# KiCad board K9HZ_100W_11band_LPF-Control.kicad_pcb (continued)
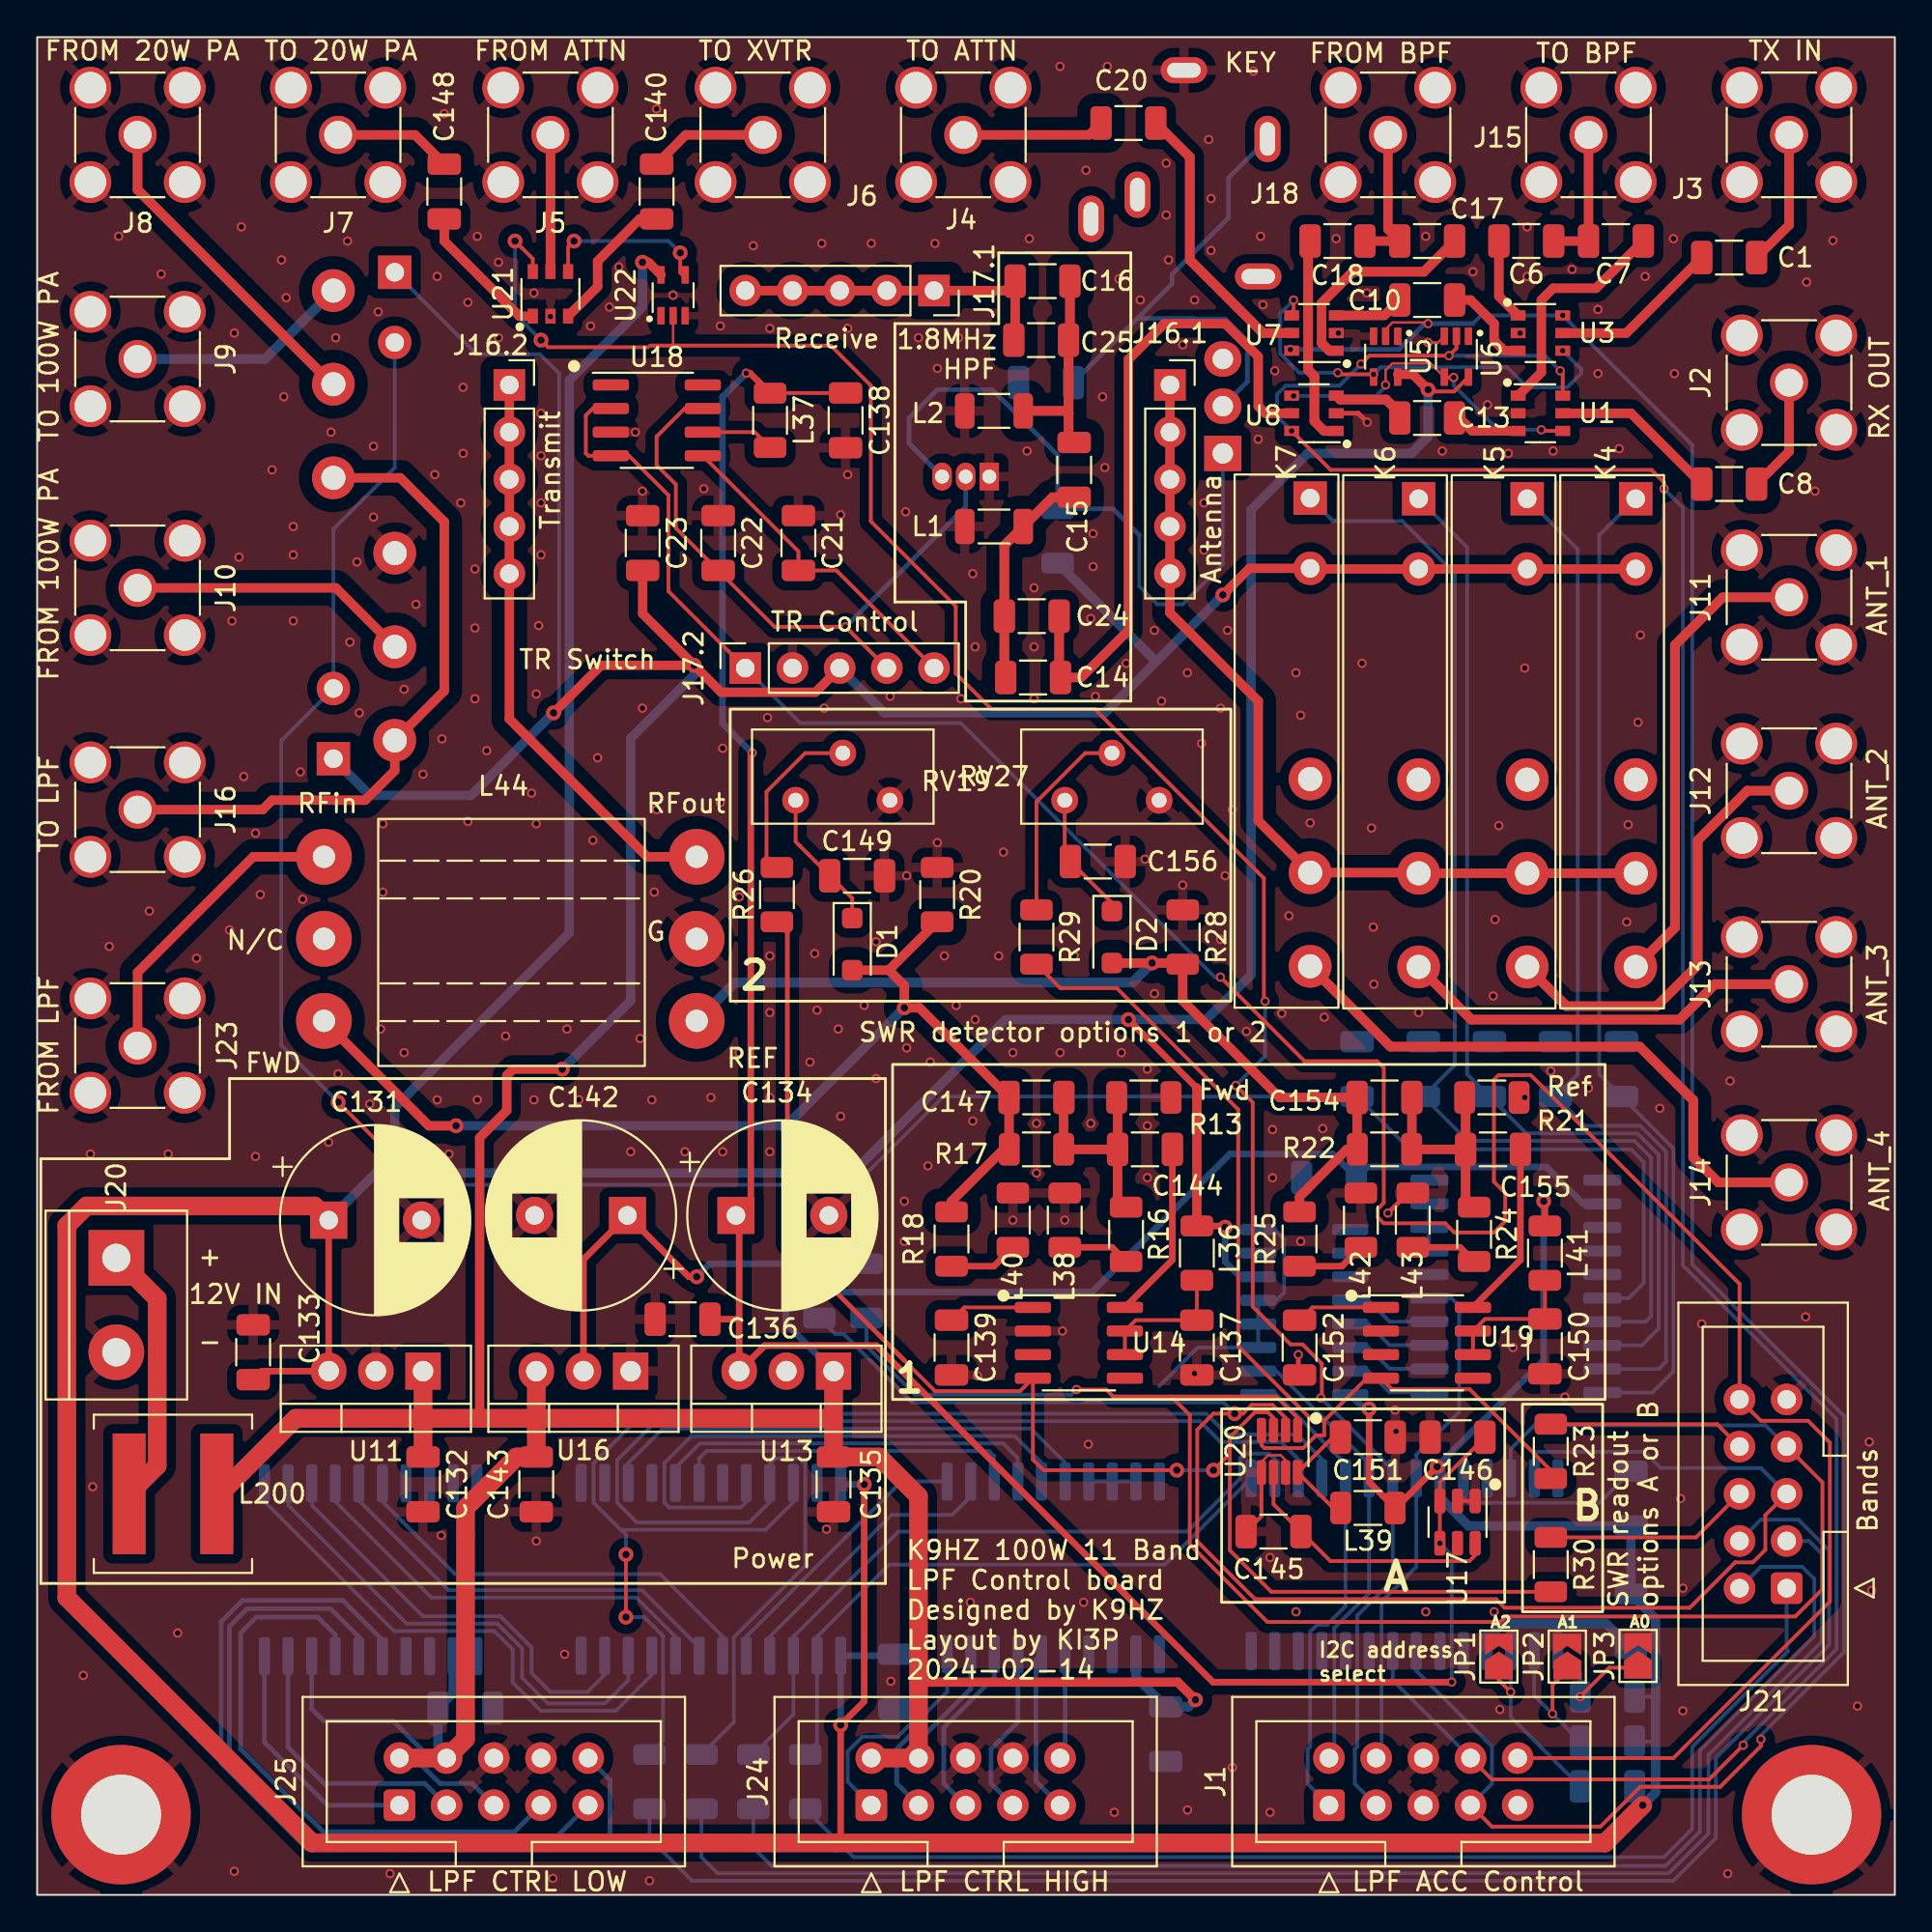
[diagram p0: board, top side]
## Footprints (pads in the part's own frame, mm; a bottom-side part is the same pattern mirrored in y, then rotated) (continued)
SolderJumper-2_P1.3mm_Open_TrianglePad1.0x1.5mm
  custom 1.5x1.5 smd: 1(-0.725,0)
  custom 1.15x1.5 smd: 2(0.725,0)
SOT-23-6
  rrect 1.325x0.6 smd: 1(-1.137,0.95) 2(-1.137,0) 3(-1.137,-0.95) 4(1.137,-0.95) 5(1.137,0) 6(1.137,0.95)
SOT-23-8
  rrect 1.325x0.5 smd: 1(-1.137,0.975) 2(-1.137,0.325) 3(-1.137,-0.325) 4(-1.137,-0.975) 5(1.137,-0.975) 6(1.137,-0.325) 7(1.137,0.325) 8(1.137,0.975)
SOT-SC70
  rrect 0.95x0.4 smd: 1(-1.1,0.65) 2(-1.1,0) 3(-1.1,-0.65) 4(1.1,-0.65) 5(1.1,0.65)
TerminalBlock_bornier-2_P5.08mm
  rect 3x3 hole 1.52: 1(0,0)
  round 3 hole 1.52: 2(5.08,0)
TO-92_Inline
  rect 1.05x1.5 hole 0.75: 1(0,0)
  oval 1.05x1.5 hole 0.75: 2(1.27,0) 3(2.54,0)
TO-220-3_Vertical
  rect 1.905x2 hole 1.1: 1(0,0)
  oval 1.905x2 hole 1.1: 2(2.54,0) 3(5.08,0)
Toroid_6Pin_BinocularCore_13.3mm_14.35mm
  round 3 hole 1.2: 1(0,2.75) 2(20.066,2.75) 3(0,-6.08) 4(20.066,-6.08) 5(20.066,-1.665) 6(0,-1.665)

## Nets
+3V3: C142.1 R12.2 R14.2 U16.2
+5V: C130.1 C131.1 C133.1 C141.1 L36.2 L39.2 L41.2 R1.2 R2.2 R3.2 R15.1 U2.6 U2.16 U5.5 U6.5 U11.3 U12.1 U12.24 U15.9 U22.5
+8V: C134.1 C136.1 C138.1 C146.2 L37.1 U13.3 U17.3 U17.4
+12V: C12.1 C23.2 C128.1 C129.1 C132.1 C135.1 C143.1 J17.2.3 J24.2 J24.4 J25.2 J25.4 K2.A1 K3.A1 K4.A2 K5.A2 K6.A2 K7.A2 L200.2 R7.1 U4.12 U9.12 U10.12 U11.1 U13.1 U16.3
GND: C2.2 C3.2 C4.2 C5.2 C11.2 C12.2 C19.2 C21.1 C22.1 C23.1 C128.2 C129.2 C130.2 C131.2 C132.2 C133.2 C134.2 C135.2 C136.2 C137.2 C138.2 C139.2 C141.2 C142.2 C143.2 C145.2 C146.1 C149.2 C150.2 C151.2 C152.2 C156.2 H1.1 H2.1 J1.5 J1.6 J2.2 J3.2 J4.2 J5.2 J6.2 J7.2 J8.2 J9.2 J10.2 J11.2 J12.2 J13.2 J14.2 J15.2 J16.2 J17.2.2 J18.2 J19.S J20.2 J21.9 J23.2 J24.6 J24.8 J25.6 J25.8 JP1.2 JP2.2 JP3.2 K3.12 L1.2 L2.2 L38.2 L40.2 L42.2 L43.2 L44.5 Q1.3 Q2.1 R13.1 R20.1 R21.1 R28.1 RV19.3 RV27.3 U1.2 U2.3 U2.4 U2.5 U2.8 U3.2 U4.6 U4.7 U4.8 U4.9 U5.3 U6.3 U7.2 U8.2 U9.7 U9.8 U9.9 U10.7 U10.8 U10.9 U11.2 U12.12 U12.23 U13.2 U14.2 U15.10 U16.1 U17.1 U17.2 U18.3 U19.2 U20.5 U20.7 U21.2 U22.3
/6M: J24.9 U10.16
/8R ~{TX}: C22.2 J17.2.4 Q2.2 U18.7
/8T TX: C21.2 J17.2.5 U18.5
/10M: J24.7 U10.17
/12M: J24.5 U10.18
/15M: J24.3 U10.19
/17M: J24.1 U10.20
/20M: J25.10 U9.15
/30M: J25.9 U9.16
/40M: J25.7 U9.17
/60M: J25.5 U9.18
/80M: J25.3 U9.19
/100W_PA_SEL: C11.1 K2.A2 K3.A2 U4.16
/160M: J25.1 U9.20
/ANT1_SEL: C2.1 K4.A1 U4.20
/ANT2_SEL: C3.1 K5.A1 U4.19
/ANT3_SEL: C4.1 K6.A1 U4.18
/ANT4_SEL: C5.1 K7.A1 U4.17
/BIT0: J21.1 R8.2
/BIT1: J21.2 R9.2
/BIT2: J21.3 R10.2
/BIT3: J21.4 R11.2
/FWD: R26.1 R30.2 U14.4 U20.3
/FWD_V: J21.6 R30.1
/LPF_TO_SWR: J23.1 L44.1
/NF: J24.10 U10.15
/REF: R23.2 R29.2 U19.4 U20.4
/REF_V: J21.8 R23.1
/RF1: C1.2 J3.1
/RF7: C20.1 J4.1
/RF17: C140.2 J6.1
/RF18: C148.1 J7.1
/RF19: J8.1 K2.11
/RF20: J9.1 K2.14
/RF21: J16.1 K2.12 K3.14
/RF22: J10.1 K3.11
/RF23: J16.1.1 J16.1.2 J16.1.3 J16.1.4 J16.1.5 K4.11 K5.11 K6.11 K7.11
/RF24: J11.1 K4.14
/RF27: J14.1 K7.14
/RF28: C16.2 C25.2 J17.1.1 J17.1.2 J17.1.3 J17.1.4 J17.1.5
/RF29: C15.2 C16.1 C25.1 L2.1
/RF30: C14.2 C15.1 C24.2 L1.1
/RF34: C8.2 J2.1
/RF35: C147.2 D1.2 L44.3 R17.1 R18.2 R20.2
/RF36: C154.2 D2.2 L44.4 R22.1 R25.2 R28.2
/RF37: C154.1 C155.2 R21.2 R22.2 R24.2
/RF38: C144.2 C147.1 R13.2 R16.2 R17.2
/RRF2: C1.1 U3.5
/RRF3: C6.1 U3.1
/RRF4: C10.2 U3.3
/RRF5: C10.1 U7.3
/RRF6: C20.2 U7.5
/RRF8: C6.2 C7.1 J15.1
/RRF9: C17.2 C18.1 J18.1
/RRF10: C17.1 U7.1
/RRF11: C7.2 U1.1
/RRF12: C13.2 U8.3
/RRF13: C18.2 U8.1
/RRF14: J5.1 U21.5
/RRF15: C140.1 U21.3
/RRF16: C148.2 U21.1
/RRF25: J12.1 K5.14
/RRF26: J13.1 K6.14
/RRF31: C14.1 C24.1 U8.5
/RRF32: C13.1 U1.3
/RRF33: C8.1 U1.5
/RX_BPF_SEL: J1.8 U1.6 U6.2 U8.6 U15.22
/SCL: J21.7 R14.1 U15.12 U20.1
/SDA: J21.5 R12.1 U15.13 U20.2
/SWR_TO_PIN_DIODE_TR: J16.2.1 J16.2.2 J16.2.3 J16.2.4 J16.2.5 L44.2
/TX: J1.10 J17.2.1 J21.10 U18.2 U18.4
/TX_BPF_SEL: J1.7 U3.6 U5.2 U7.6 U15.21
/XVTR_SEL: J1.3 U15.7 U21.6 U22.2
Net-(D1-K): C149.1 D1.1 RV19.1
Net-(D2-K): C156.1 D2.1 RV27.1
Net-(J1-Pin_1): J1.1 U2.1 U15.5
Net-(J1-Pin_2): J1.2 U2.2 U15.6
Net-(J1-Pin_4): J1.4 U4.5 U15.8
Net-(J20-Pin_1): J20.1 L200.1
Net-(JP1-A): JP1.1 R1.1 U15.17
Net-(JP2-A): JP2.1 R2.1 U15.16
Net-(JP3-A): JP3.1 R3.1 U15.15
Net-(L38-Pad1): L38.1 R16.1
Net-(L40-Pad1): L40.1 R18.1
Net-(L42-Pad1): L42.1 R25.1
Net-(L43-Pad1): L43.1 R24.1
Net-(Q1-D): C19.1 J19.T Q1.2
Net-(Q1-G): Q1.1 Q2.3 R7.2
Net-(R26-Pad2): R26.2 RV19.2
Net-(R29-Pad1): R29.1 RV27.2
Net-(U1-V2): U1.4 U6.4 U8.4
Net-(U2-Y0): U2.15 U4.1
Net-(U2-Y1): U2.14 U4.2
Net-(U2-Y2): U2.13 U4.3
Net-(U2-Y3): U2.12 U4.4
Net-(U3-V2): U3.4 U5.4 U7.4
Net-(U10-I1): U10.1 U12.5
Net-(U10-I2): U10.2 U12.4
Net-(U10-I3): U10.3 U12.18
Net-(U10-I4): U10.4 U12.17
Net-(U10-I5): U10.5 U12.20
Net-(U10-I6): U10.6 U12.15
Net-(U12-A0): R8.1 U12.2 U15.1
Net-(U12-A1): R9.1 U12.3 U15.2
Net-(U12-A2): R10.1 U12.21 U15.3
Net-(U12-A3): R11.1 U12.22 U15.4
Net-(U12-Y0): U9.3 U12.11
Net-(U12-Y1): U9.1 U12.9
Net-(U12-Y2): U9.2 U12.10
Net-(U12-Y3): U9.4 U12.8
Net-(U12-Y4): U9.5 U12.7
Net-(U12-Y5): U9.6 U12.6
Net-(U14-ENB): C137.1 L36.1 U14.6 U14.7
Net-(U14-INM): C139.1 U14.1
Net-(U14-INP): C144.1 U14.8
Net-(U15-~{RESET}): R15.2 U15.18
Net-(U17-OUT_F): C145.1 U17.6 U20.6
Net-(U18-VDD): L37.2 U18.6
Net-(U19-ENB): C150.1 L41.1 U19.6 U19.7
Net-(U19-INM): C152.1 U19.1
Net-(U19-INP): C155.1 U19.8
Net-(U20-Vdd): C151.1 L39.1 U20.8
Net-(U21-V2): U21.4 U22.4

Pads without a net: J1 9; J19 R RN TN; K4 12; K5 12; K6 12; K7 12; L44 6; U2 7 9 10 11; U4 10 11 13 14 15; U5 1; U6 1; U9 10 11 13 14; U10 10 11 13 14; U12 13 14 16 19; U14 3 5; U15 11 14 19 20 23 24 25 26 27 28; U17 5; U18 1 8; U19 3 5; U22 1

## Via types
v1: diameter 0.5, hole 0.3, Top to Bottom, 330 vias
v2: diameter 0.8, hole 0.4, Top to Bottom, 30 vias

## Routing (per net, layer and track width the routed paths; a pad name or vN(x,y) marks a point on that pad's centre or on a via; arc(x,y) is an arc through that point)
+3V3: length 23.9
  Top w0.35: U16.2 29.41,34.21 C142.1 35.08,33.27 v2(35.5,33.27)
  Bottom w0.2: R14.2 R12.2
  Bottom w0.35: R12.2 36.2,33.97 v2(35.5,33.27)
+5V: length 398.1
  Top w0.2: v2(74.87,81.02) 74.97,80.93 76.27,80.93 U6.5
  Top w0.35: v2(71.7,26.16) 71.7,22.22 L39.2 73.13,20.83 v2(75.36,23.05) ; L36.2 63.89,36 v2(63.95,35.94) ; L41.2 81.16,37.27 v2(81.1,37.34) ; v2(44.52,22.1) 44.52,10.41 v2(43.25,9.14) 43.25,3.05 43,2.79 ; 62.43,43.43 v2(58.75,47.11) ; C131.1 U11.3 12.09,28.19 C133.1
  Top w0.5: L36.2 62.43,43.43 ; 74.88,81.03 v2(74.87,81.02) 74.05,81.85 73.24,81.85 ; U22.5 32.91,87.88 v2(32.58,87.88)
  Top w1: C131.1 14.93,37.08 2.66,37.08 1.59,36.02 1.59,16 14.8,2.79 84.4,2.79 v2(86.43,4.82)
  Bottom w0.2: R2.2 86.99,8.25 ; R3.2 87.12,10.67 ; R1.2 86.87,5.84
  Bottom w0.25: 86.25,5 v2(86.43,4.82)
  Bottom w0.35: U2.16 71.44,26.16 v2(71.7,26.16) ; U12.24 43.33,22.1 v2(44.52,22.1) ; C130.1 46.09,12.87 U12.1 v2(43.25,9.14) ; v2(75.36,23.05) 81.1,28.79 v2(81.1,37.34) ; U2.6 64.76,33.27 63.95,34.08 v2(63.95,35.94)
  Bottom w0.5: U15.9 75.51,21.4 77.05,19.86 C141.1 R15.1 87.12,14.87 87.12,5.51 v2(86.43,4.82) ; 19.25,39.88 C131.1 ; 19.25,39.88 19.25,42.38 28.65,51.78 28.65,81.53 32.58,85.47 v2(32.58,87.88) ; 19.25,39.88 20.35,39.88 21.45,38.78 21.53,38.86 43.89,38.86 52.14,47.11 v2(58.75,47.11) 62.94,47.11 65.35,49.53 65.35,74.56 68.38,77.59 73.99,77.59 74.87,78.48 v2(74.87,81.02)
+8V: length 123.6
  Top w0.2: v1(75.51,18.93) U17.3 75.51,22.21 C146.2 ; L37.1 39.47,80.85 C138.1
  Top w0.35: C136.1 37.79,30.99 ; 37.79,30.99 U13.3 39.17,29.57 45.18,29.57 63.29,11.45 v1(76.14,11.45) ; 37.79,30.99 37.79,36.4 C134.1 38.42,37.37 38.42,61.39 v1(38.49,61.47) ; v1(38.17,81.91) 38.38,81.91 L37.1
  Bottom w0.2: v1(75.51,18.93) 76.14,18.29 v1(76.14,11.45)
  Bottom w0.35: v1(38.17,81.91) 36.89,80.63 36.89,63.06 v1(38.49,61.47)
+12V: length 342.1
  Top w0.5: v2(62.35,10.5) 61.4,11.45 47.44,11.45 ; v2(35.37,66.18) 30.36,66.18 v2(27.8,63.62) ; J17.2.3 41.9,64.74 36.82,64.74 32.59,68.96 C23.2 ; v2(28.27,44.45) 25.62,44.45 25.28,44.1 25.28,42.22 23.82,40.76 23.82,25.65 ; v2(63.83,69.97) 65.25,71.41 K7.A2 68.56,71.37 K6.A2 K5.A2 K4.A2
  Top w1: 27.12,25.65 42.87,25.65 ; 27.12,25.65 26.87,25.91 U16.3 ; 27.12,25.65 20.77,25.65 ; 27.12,25.65 26.87,25.4 C143.1 25.8,23.57 23.06,20.83 23.06,8.38 J25.4 J25.2 ; 42.87,25.65 U13.1 ; 42.87,25.65 C135.1 45.33,23.57 47.44,21.46 J24.4 J24.2 ; U11.1 20.77,25.65 ; 20.77,25.65 C132.1 ; 20.77,25.65 13.91,25.65 9.85,21.59 L200.2
  Bottom w0.2: v2(27.8,63.62) 27.84,63.58 28.1,63.58 28.1,81.9 27.07,82.93 23.66,82.93 K3.A1
  Bottom w0.35: U13.1 40.3,30.76 40.3,31.45 41.3,32.45 56.78,32.45 64.21,39.88 69.74,39.88 C12.1 ; U4.12 83.23,37.2 81.24,39.18 71.59,39.18 C12.1 ; C12.1 71.14,38.48
  Bottom w0.5: v2(35.37,66.18) 35.37,65.68 31.95,62.25 31.95,48.13 v2(28.27,44.45) ; 60.33,66.48 60.14,66.48 R7.1 ; 60.33,66.48 v2(63.83,69.97) ; 60.33,66.48 57.47,63.62 45.61,63.62 J17.2.3 ; J25.4 21.58,7.83 C128.1 22.39,10.87 U9.12 ; v2(27.8,63.62) 23.35,59.18 17.92,59.18 K2.A1 ; v2(62.35,10.5) 61.97,10.12 C129.1 59.14,11.73 59.14,12.95
GND: length 44.1
  Top w0.13: U20.7 67.2,23.4 66.94,23.66 66.26,23.66 65.9,23.3 U20.5 ; v1(74.87,83.56) 75.41,83.56 U6.3
  Top w0.2: C145.2 65.9,20.38 U20.5 ; U17.2 U17.1
  Top w0.25: C152.2 67.89,28.05 v1(67.89,29.08) ; v1(72.72,36.7) 73.8,37.78 L43.2 ; U8.2 71.11,79.75 v1(71.6,79.27)
  Bottom w0.2: 74.92,37.21 74.92,34.67 ; 60.4,27.38 62.48,29.46 U2.3 U2.4 U2.5 66.71,32 67.13,32.42 67.13,35.3 66.62,35.81 U2.8 ; 56.59,22.25 59.13,22.25 ; C141.2 84.09,21.1 77.08,21.1 76.78,21.4 U15.10
  Bottom w0.25: Q2.1 51.25,75.99
  vias: v1(2.48,11.81) v1(2.87,39.88) v1(2.99,21.97) v1(3.88,51.05) v1(4.39,89.28) v1(6.04,52.96) v1(6.67,87.25) v1(7.06,39.88) v1(7.56,14.09) v1(8.58,50.42) v1(10.36,51.94) v1(10.48,68.58) v1(10.61,84.07) v1(10.61,1.27) v1(10.87,72.01) v1(10.99,89.79) v1(11.12,60.2) v1(11.75,57.15) v1(11.75,39.75) v1(12.01,53.85) v1(12.64,76.71) v1(13.15,88.01) v1(13.28,80.64) v1(13.41,85.98) v1(13.79,73.66) v1(13.79,72.13) v1(13.79,68.58) v1(14.17,60.45) v1(14.3,53.59) v1(15.69,40.51) v1(15.82,78.74) v1(16.07,83.82) v1(16.2,44.19) v1(16.71,89.03) v1(16.83,67.44) v1(17.22,71.75) v1(17.34,63.62) v1(17.9,42.57) v1(18.11,77.98) v1(18.11,74.17) v1(18.36,85.22) v1(18.49,46.61) v1(18.61,57.66) v1(18.61,53.97) v1(18.99,1.14) v1(19.76,64.89) v1(19.76,45.34) v1(20.39,69.47) v1(20.77,60.32) v1(21.41,76.45) v1(21.53,87.12) v1(21.53,42.8) v1(21.79,62.23) v1(21.75,19.35) v1(21.92,95.88) v1(22.17,39.88) v1(22.8,74.93) v1(22.93,81.15) v1(22.93,77.59) v1(23.19,85.72) v1(23.19,57.78) v1(23.57,71.37) v1(23.57,68.2) v1(23.57,64.39) v1(23.69,89.28) v1(23.69,42.8) v1(24.2,61.59) v1(24.84,87.88) v1(24.84,83.82) v1(25.22,46.23) v1(25.72,40) v1(26.61,59.31) v1(26.74,86.23) v1(26.74,42.8) v1(26.87,64.64) v1(26.87,57.66) v1(26.87,19.05) v1(27,68.32) v1(27.12,79.75) v1(27.12,77.47) v1(27.12,74.93) v1(27.12,72.13) v1(27.63,84.96) v1(27.76,0.89) v1(28.39,12.95) v1(28.52,46.61) v1(28.65,40) v1(29.15,42.8) v1(29.79,84.45) v1(29.92,56.77) v1(30.17,61.21) v1(30.81,85.47) v1(31.31,87.63) v1(31.95,40) v1(32.2,78.74) v1(32.46,46.1) v1(32.58,75.56) v1(32.58,63.88) v1(32.96,0.76) v1(33.09,42.8) v1(33.22,53.97) v1(33.34,96.14) v1(33.34,58.42) v1(34.23,86.1) v1(34.87,40) v1(35.89,75.69) v1(36.27,42.92) v1(36.77,84.45) v1(36.77,58.8) v1(36.9,61.72) v1(36.9,40) v1(37.79,53.72) v1(37.79,45.34) v1(38.55,88.77) v1(39.31,63.37) v1(39.44,84.33) v1(39.44,50.54) v1(39.44,47.5) v1(39.44,42.92) v1(39.44,40) v1(41.6,44.83) v1(41.85,50.67) v1(41.85,40.64) v1(41.98,47.62) v1(42.23,88.9) v1(42.36,63.88) v1(42.49,19.68) v1(43.12,46.61) v1(43.25,74.29) v1(43.25,41.91) v1(43.63,84.33) v1(43.63,76.45) v1(44.52,47.88) v1(44.9,88.9) v1(45.16,51.31) v1(45.16,43.94) v1(45.92,64.51) v1(45.95,11.5) v1(46.68,37.34) v1(46.68,35.18) v1(46.75,74.45) v1(46.81,54.86) v1(46.81,45.59) v1(47.44,83.82) v1(47.95,39.24) v1(48.08,44.83) v1(48.33,88.9) v1(48.46,82.17) v1(48.46,56.64) v1(48.84,50.54) v1(49.47,47.88) v1(49.6,83.82) v1(49.73,64.39) v1(50.24,15.75) v1(50.36,71.12) v1(50.36,41.65) v1(50.49,67.18) v1(50.49,47.11) v1(50.62,27.94) v1(51.76,50.54) v1(52.01,56.13) v1(52.52,45.34) v1(52.52,36.32) v1(53.28,77.72) v1(53.41,89.15) v1(53.67,70.36) v1(53.67,67.18) v1(53.67,64.39) v1(53.79,41.53) v1(53.79,38.86) v1(55.06,98.42) v1(55.06,45.34) v1(55.19,30.35) v1(55.32,36.32) v1(55.82,50.54) v1(56.33,15.75) v1(56.46,92.84) v1(56.59,24.25) v1(56.71,68.7) v1(56.71,41.53) v1(56.84,73.28) v1(56.84,71.5) v1(56.97,64.51) v1(57.35,80.64) v1(57.47,76.83) v1(57.6,98.42) v1(57.98,4.44) v1(58.24,86.99) v1(58.36,45.34) v1(58.62,66.29) v1(59.38,85.85) v1(59.63,55.75) v1(59.76,44.45) v1(59.76,41.4) v1(59.76,38.61) v1(60.14,68.07) v1(60.14,48.51) v1(60.52,64.26) v1(60.78,93.22) v1(60.78,90.42) v1(60.9,88.01) v1(61.67,83.44) v1(61.67,54.35) v1(61.92,65.78) v1(61.92,4.57) v1(62.3,85.85) v1(62.3,28.06) v1(62.68,61.97) v1(62.81,74.93) v1(62.81,72.39) v1(63.06,94.49) v1(63.19,91.31) v1(63.19,88.52) v1(63.7,63.88) v1(63.7,51.43) v1(63.95,54.86) v1(64.08,68.07) v1(64.33,58.42) v1(64.33,6.86) v1(65.09,46.48) v1(65.48,98.17) v1(65.73,78.36) v1(65.86,89.28) v1(65.98,85.6) v1(66.36,18.16) v1(66.36,4.44) v1(66.5,41.2) v1(66.5,38.6) v1(66.62,82.04) v1(67,47.45) v1(67.38,52.7) v1(67.76,65.78) v1(67.76,15.24) v1(68.02,63.5) v1(68.02,35.18) v1(68.52,57.71) v1(69.2,41.25) v1(69.29,47.24) v1(69.92,89.15) v1(70.05,84.07) v1(71.32,66.29) v1(71.57,86.23) v1(71.83,57.43) v1(71.93,52.09) v1(71.95,49.02) v1(73.1,26.1) v1(73.15,24.95) v1(74.37,47.5) v1(74.75,89.28) v1(74.75,15.24) v1(75.64,77.72) v1(77.29,87.37) v1(78.07,80.21) v1(78.38,48.39) v1(78.43,15.24) v1(78.48,52.5) v1(78.68,57.55) v1(78.73,9.98) v1(79.19,77.59) v1(79.45,29.46) v1(79.83,84.07) v1(80.08,66.04) v1(80.08,42.92) v1(80.21,89.79) v1(80.21,87.12) v1(81.22,41.65) v1(81.48,44.35) v1(81.6,77.72) v1(82.24,26.8) v1(82.62,87.5) v1(83.51,43.43) v1(84.02,85.34) v1(84.02,81.89) v1(85.16,77.85) v1(85.64,57.61) v1(85.57,52.37) v1(86.18,63.12) v1(86.3,67.82) v1(86.56,87.12) v1(87.35,42.34) v1(88.08,89.15) v1(88.13,81.89) v1(88.46,21.33) v1(88.59,16.51) v1(88.59,9.9) v1(89.61,30.73) v1(91,1.14) v1(91.13,43.81) v1(95.24,86.82) v1(95.19,31.11) v1(95.7,75.56) v1(96.67,89.05) v1(97.99,10.16) v1(98.62,24.38) v1(98.75,16.38)
/6M: length 8.8
  Bottom w0.25: U10.16 53.77,12.65 53.77,6.12 J24.9
/8R ~{TX}: length 33.7
  Top w0.2: J17.2.4 v1(43.52,68.26) 39.69,68.26 C22.2 34.38,73.57 34.38,75.92 33.34,76.96 33.34,78.5 34.86,80.01 U18.7
  Bottom w0.25: Q2.2 49.98,74.72 v1(43.52,68.26)
/8T TX: length 17.8
  Top w0.2: U18.5 40.98,72.32 C21.2 43.02,71.29 J17.2.5
/10M: length 9.2
  Bottom w0.25: J24.7 51.35,6 51.35,7.85 52.8,9.3 U10.17
/12M: length 9.7
  Bottom w0.25: U10.18 51.53,11.72 48.81,9.01 48.81,6 J24.5
/15M: length 10.7
  Bottom w0.25: J24.3 46.27,6 46.27,7.85 47.12,8.7 47.86,8.7 50.25,11.09 U10.19
/17M: length 12.1
  Bottom w0.2: J24.1 43.63,6.09 43.63,7.72 44.43,8.51 46.33,8.51 46.94,9.13 47.18,9.13 48.98,10.94 U10.20
/20M: length 46.3
  Bottom w0.25: 18.58,12.85 18.58,13.72 16.45,15.85 11.05,15.85 9.9,14.7 9.9,7.1 14.5,2.5 30.1,2.5 30.84,3.24 30.84,6.19 J25.10
/30M: length 38
  Bottom w0.25: U9.16 17.31,13.88 15.8,15.4 11.3,15.4 10.35,14.45 10.35,7.35 14.75,2.95 27.79,2.95 J25.9
/40M: length 31.8
  Bottom w0.25: J25.7 25.7,3.4 15.4,3.4 10.95,7.85 10.95,14.1 11.8,14.95 15.1,14.95 16.05,14 U9.17
/60M: length 15.3
  Bottom w0.25: J25.5 23.41,6 21.68,6 20.68,7 20.68,7.85 19.18,9.35 15.45,9.35 14.78,10.03 U9.18
/80M: length 14.8
  Bottom w0.25: J25.3 20.87,6 15.55,6 15.5,5.95 13.5,7.94 U9.19
/100W_PA_SEL: length 129.3
  Top w0.2: v2(20.64,38.22) v2(16.2,42.67)
  Bottom w0.2: U4.16 85.67,32.12 86.48,32.93 86.48,39.44 85.8,40.13 73.89,40.13 C11.1 48.78,42.97 44.03,38.22 v2(20.64,38.22) ; K3.A2 19.25,76.82 15.95,73.52 K2.A2 13.14,62.13 13.14,45.73 v2(16.2,42.67)
/160M: length 13.3
  Bottom w0.25: J25.1 15.63,4.82 12.23,8.22 U9.20
/ANT1_SEL: length 53.7
  Bottom w0.2: K4.A1 84.09,73.19 84.09,44.17 C2.1 88.08,40.18 88.08,28.18 86.94,27.04 U4.20
/ANT2_SEL: length 55.9
  Bottom w0.2: U4.19 87.29,28.31 87.68,28.7 87.68,40.01 86.3,41.4 83.31,41.4 C3.1 82.93,44.17 82.93,72.43 K5.A1
/ANT3_SEL: length 56.9
  Bottom w0.2: U4.18 86.38,29.58 87.28,30.48 87.28,39.85 86.14,40.99 80.16,40.99 C4.1 76.98,44.17 76.98,72.54 K6.A1
/ANT4_SEL: length 63.2
  Bottom w0.2: K7.A1 69.76,73.95 73.48,73.95 76.32,71.12 76.32,44.67 C5.1 77.01,40.59 85.98,40.59 86.88,39.68 86.88,31.15 86.58,30.85 U4.17
/BIT0: length 64.6
  Bottom w0.2: J21.1 94.18,13.17 94.24,13.11 89.09,7.96 89.09,3.55 87.57,2.03 43.95,2.03 R8.2
/BIT1: length 75.2
  Bottom w0.2: R9.2 38.55,2.54 39.53,1.56 87.66,1.56 89.5,3.4 89.5,7.81 89.54,7.81 95.66,13.93 95.66,17.01 95.01,17.66 92.79,17.66 J21.2
/BIT2: length 77.8
  Bottom w0.2: J21.3 95.38,19.05 96.06,18.36 96.06,13.63 89.97,7.53 89.97,3.3 87.83,1.16 36.63,1.16 35.76,2.03 R10.2
/BIT3: length 84.9
  Bottom w0.2: R11.2 32.96,3.05 35.25,0.76 88.08,0.76 90.37,3.05 90.37,7.36 96.46,13.46 96.46,18.54 94.81,20.2 92.79,20.2 J21.4
/FWD: length 78.8
  Top w0.2: 64.2,24.63 64.2,18.54 66.43,16.32 R30.2 ; 64.2,24.63 64.2,23.74 v2(63.32,22.86) ; 64.2,24.63 65.54,25.97 66.25,25.97 66.55,25.67 U20.3 ; v2(61.35,22.86) 54.18,22.86 53.6,23.43 U14.4 52.9,27.11 48.34,27.11 46.68,28.77
  Top w0.25: R26.1 40.38,51.82 40.38,35.07 46.68,28.77
  Bottom w0.2: v2(61.35,22.86) v2(63.32,22.86)
/FWD_V: length 11.1
  Top w0.2: J21.6 89.29,19.24 R30.1
/LPF_TO_SWR: length 16.5
  Top w0.508: L44.1 11.63,55.88 5.41,49.66 J23.1
/NF: length 5.7
  Bottom w0.25: U10.15 55.33,7.64 J24.10
/REF: length 54.1
  Top w0.2: R23.2 81.48,22.85 77.12,27.21 72.94,27.21 U19.4 71.57,27.81 69.28,25.52 ; 69.28,25.52 68.66,25.52 64.65,29.53 64.65,42.27 58.12,48.81 55.08,48.81 R29.2 ; 69.28,25.52 69.28,24.73 68.84,24.73 68.16,24.05 66.06,24.05 65.9,24.21 U20.4
/REF_V: length 10.7
  Top w0.2: R23.1 90.43,25.34 J21.8
/RF1: length 7.3
  Top w0.508: C1.2 94.31,89.88 J3.1
/RF7: length 7.7
  Top w0.508: J4.1 56.64,94.74 C20.1
/RF17: length 6.4
  Top w0.508: J6.1 34.92,94.74 C140.2
/RF18: length 6.4
  Top w0.508: J7.1 20.34,94.74 C148.1
/RF19: length 17.8
  Top w0.525: J8.1 5.41,91.79 15.87,81.32 K2.11
/RF20: length 12.1
  Bottom w0.525: K2.14 12.26,82.67 J9.1
/RF21: length 36.2
  Top w0.508: K2.12 19.55,76.28 21.92,73.91 21.92,64.81 K3.14 19.25,60.52 17.66,58.93 12.64,58.93 12.14,58.42 J16.1
/RF22: length 15.2
  Top w0.508: K3.11 16.08,70.36 J10.1
/RF23: length 46.9
  Top w0.508: J16.1.1 J16.1.2 J16.1.3 J16.1.4 J16.1.5 60.98,69.01 65.73,64.26 65.73,57.82 K7.11 74.33,55.03 K6.11 K5.11 K4.11
/RF24: length 25.4
  Top w0.525: J11.1 90.73,69.85 88.16,67.28 88.16,52.06 K4.14
/RF27: length 32.4
  Top w0.525: K7.14 72.85,45.66 86.26,45.66 89.15,42.77 89.15,39.7 90.5,38.35 J14.1
/RF28: length 17.9
  Top w0.508: J17.1.5 J17.1.4 J17.1.3 J17.1.2 J17.1.1 52.14,86.36 52.64,86.87 52.64,83.77 C25.2
/RF29: length 11.3
  Top w0.525: C15.2 55.52,78.48 55.52,79.75 ; 55.52,79.75 55.39,79.88 L2.1 ; 55.52,79.75 C25.1 55.59,83.77 C16.1
/RF30: length 12
  Top w0.525: C15.1 54.65,75.23 L1.1 52.06,72.64 C24.2 52.06,65.6 C14.2
/RF34: length 6.2
  Top w0.508: C8.2 94.31,77.69 J2.1
/RF35: length 59.5
  Top w0.508: L44.3 21.09,41.4 v2(22.55,41.4) ; D1.2 45.85,49.78 ; 45.85,49.78 R20.2 ; 45.85,49.78 46.68,48.94 v2(46.68,47.75) 47.49,47.75 C147.2 52.32,40.14 R17.1 52.02,40.13 49.22,37.33 R18.2
  Bottom w0.508: v2(22.55,41.4) 40.33,41.4 v2(46.68,47.75)
/RF36: length 50.9
  Top w0.508: R25.2 67.95,37.58 70.5,40.13 R22.1 71.05,40.14 C154.2 66.87,42.92 61.67,48.13 R28.2 61.6,50.16 v2(60.02,50.16) D2.2
  Bottom w0.525: v2(60.02,50.16) 58.97,49.11 37.57,49.11 L44.4
/RF37: length 11.8
  Top w0.508: C155.2 76.89,42.88 R21.2 ; C155.2 R22.2 74,40.14 C154.1 ; C155.2 76.89,37.48 R24.2
/RF38: length 11.8
  Top w0.508: C144.2 R17.2 55.25,42.91 C147.1 ; C144.2 58.16,42.88 R13.2 ; C144.2 58.16,37.48 R16.2
/RRF2: length 9.2
  Top w0.508: U3.5 85.54,84.07 C1.1
/RRF3: length 4.4
  Top w0.508: U3.1 78.68,86.06 C6.1
/RRF4: length 5.1
  Top w0.508: C10.2 77.16,85.85 78.43,84.58 78.43,83.66 78.97,83.12 U3.3
/RRF5: length 3.8
  Top w0.508: U7.3 72.52,85.02 C10.1
/RRF6: length 15.2
  Top w0.525: 67.53,84.07 65.98,84.07 62.05,88.01 62.05,93.55 C20.2
/RRF8: length 7.6
  Top w0.508: J15.1 C7.1 C6.2
/RRF9: length 7.9
  Top w0.508: J18.1 72.72,89.66 C17.2 C18.1
/RRF10: length 11.7
  Top w0.5: 69.14,83.53 69.14,85.69
  Top w0.525: 69.14,83.53 69.55,83.12 U7.1 ; C17.1 74.65,87.37 70.83,87.37 69.14,85.69
/RRF11: length 12.5
  Top w0.508: U1.1 80.97,81.95 80.97,85.85 81.6,86.48 83.92,86.48 C7.2
/RRF12: length 3.8
  Top w0.525: 73.35,79.75 72.61,80.49 70.14,80.49 U8.3
/RRF13: length 11.3
  Top w0.525: U8.1 69.28,78.8 68.75,79.33 68.75,81.75 68.41,82.09 68.41,88.92 C18.2
/RRF14: length 7.4
  Top w0.508: U21.5 J5.1
/RRF15: length 7.7
  Top w0.508: C140.1 32.44,90.22 30.17,87.94 30.17,86.57 U21.3
/RRF16: length 7.6
  Top w0.508: U21.1 25.96,84.98 21.92,89.03 C148.2
/RRF25: length 23.7
  Top w0.525: K5.14 82.32,47.84 87.18,47.84 89.39,50.05 89.39,56.76 92.06,59.43 J12.1
/RRF26: length 21.9
  Top w0.525: J13.1 90.32,49.02 88.41,47.11 77.2,47.11 K6.14
/RRF31: length 35.8
  Top w0.508: 55.09,65.53 56.2,65.53 58.75,68.07 58.75,82.65 60.67,84.58 63.96,84.58 65.73,82.81 65.73,80.13 66.11,79.75 67.53,79.75
  Top w0.525: 55.09,65.53 55.01,65.6 C24.1
/RRF32: length 3.8
  Top w0.508: U1.3 77.25,78.8 76.3,79.75
/RRF33: length 9.1
  Top w0.508: U1.5 85.8,79.75 C8.1
/RX_BPF_SEL: length 139.7
  Top w0.2: U1.6 82.12,81.91 v1(81.99,82.04) ; v1(71.26,82.4) 71.71,82.85 v1(76,82.85) 76.4,83.25 76.4,83.75 ; v1(87.57,75.69) 87.57,76.03 86.9,76.71 69.63,76.71 v1(67.53,78.8) ; J1.8 78.31,6.21 90,6.21 v1(91.84,8.05)
  Bottom w0.2: v1(71.26,82.4) 70.09,81.24 67.21,81.24 66.75,80.77 66.75,79.59 v1(67.53,78.8) ; v1(76,82.85) 81.17,82.85 v1(81.99,82.04) ; v1(87.57,75.69) 88.59,74.67 88.59,33.88 96.86,25.61 96.86,13.22 91.89,8.25 91.89,8.11 v1(91.84,8.05) ; J1.8 72.97,11.56 72.97,13.13
/SCL: length 98
  Top w0.2: v1(55.95,27.2) 57.55,27.2 57.92,26.82 61.05,26.82 ; 61.05,26.82 66.7,26.82 67.85,25.67 U20.1 ; 61.05,26.82 62.05,25.83 62.05,18.86 66.22,14.69 78.77,14.69 79.06,14.98 94.64,14.98 96.1,16.45 96.1,22.2 J21.7
  Bottom w0.2: J21.7 93.03,25.28 80.6,25.28 79.32,24 U15.12 ; R14.1 44.65,29.53 47.26,26.92 55.67,26.92 v1(55.95,27.2)
/SDA: length 89.5
  Top w0.2: J21.5 93.03,20.44 93.03,18.57 92.35,17.9 91.4,17.9 88.96,15.45 78.99,15.45 78.53,15.92 65.56,15.92 62.45,19.03 62.45,25.04 63.32,25.91 v2(64.46,25.91) 64.91,25.91 65.38,26.37 66.5,26.37 67.2,25.67 U20.2
  Bottom w0.2: 80.59,22.43 80.59,23.75 80.69,23.85 86.52,23.85 87.39,22.98 92.79,22.98 J21.5 ; v2(64.46,25.91) 63.86,26.5 47.11,26.5 43.43,30.19 42.97,30.19 R12.1
/SWR_TO_PIN_DIODE_TR: length 31.1
  Top w0.508: J16.2.1 J16.2.2 J16.2.3 J16.2.4 J16.2.5 25.42,63.3 32.84,55.88 L44.2
/TX: length 145.6
  Top w0.2: U18.2 29.91,80.01 29.53,79.64 29.53,77.59 29.66,77.47 U18.4 31.86,77.47 33.98,75.34 33.98,70.18 J17.2.1 ; v1(63.7,49.4) 68.22,44.88 72.13,44.88 72.49,44.52 72.49,37.25 72.16,36.93 72.16,36.47 72.49,36.15 75.79,36.15 76.29,35.66 78.42,35.66 79.03,36.27 79.03,37.77 78.42,38.38 78.42,43.88 78.66,44.12 80.41,44.12 91.64,32.89 J21.10 92.79,25.52 95.33,25.52 96.5,24.34 96.5,15.78 88.08,7.36 J1.10
  Bottom w0.2: J17.2.1 41.08,63.08 49.72,63.08 63.39,49.4 v1(63.7,49.4)
/TX_BPF_SEL: length 131.9
  Top w0.13: U5.2 72.59,84.27 72.96,84.64 74.81,84.64 v1(74.87,84.58)
  Top w0.2: v1(92.79,8.37) 92.79,8.01 90.6,5.81 86.29,5.81 84.15,3.67 78.31,3.67 J1.7
  Top w0.25: 67.53,83.12 v1(67.46,83.19) ; 74.8,84.5 v1(74.87,84.58)
  Bottom w0.2: J1.7 78.31,5.97 78.31,7.99 74.24,12.06 U15.21 ; 77.29,84.58 77.73,85.02 v1(82.12,85.02) 89.1,78.05 89.1,33.94 97.26,25.77 97.26,13.06 92.68,8.48
  Bottom w0.25: v1(67.46,83.19) 73.3,83.19 74.7,84.58 v1(74.87,84.58) 77.29,84.58
/XVTR_SEL: length 123.1
  Top w0.13: U22.2 34.23,83.4
  Top w0.2: v2(27.12,83.69) 27.5,83.31 32.89,83.31 ; 32.98,83.4 42.73,83.4 44.88,81.25 44.88,73.94 49.45,69.37 49.45,65.75 51.37,63.83 56.93,63.83 66.03,54.72 66.03,48.17 v1(66.1,48.1) ; v1(64.52,43.57) 65.43,42.66 65.43,31.67 67.47,29.63 68.12,29.63 69.15,28.59 69.15,26.8 v1(69.1,26.75) ; 34.23,85.15 34.23,84.65 ; U21.6 26.68,88.07 v2(25.72,89.03)
  Bottom w0.2: v2(27.12,83.69) 25.72,85.09 v2(25.72,89.03) ; v1(66.1,48.1) 66.1,45.15 v1(64.52,43.57) ; v1(69.1,26.75) 72.97,22.88 72.97,16.95 71.06,15.04 71.06,7.97 70.93,7.84 70.93,5.97 J1.3
Net-(D1-K): length 7.6
  Top w0.2: RV19.1 40.83,56.69 C149.1 43.88,53.65 43.88,52.58
Net-(D2-K): length 7
  Top w0.2: RV27.1 55.32,55.93 C156.1 57.86,53.39 D2.1
Net-(J1-Pin_1): length 26.2
  Bottom w0.2: J1.1 68.39,5.97 68.39,7.84 68.52,7.97 68.52,14.16 68.9,14.54 69.43,14.54 70.43,15.54 U15.5 70.43,23.2 66.71,26.92 U2.1
Net-(J1-Pin_2): length 24.8
  Bottom w0.2: U2.2 66.71,28.19 71.7,23.2 U15.6 71.7,16.24 69.83,14.37 69.83,7.65 J1.2
Net-(J1-Pin_4): length 28.4
  Bottom w0.2: 75.32,32.13 74.92,32.13 ; U4.5 76.13,32.12 76.55,31.7 76.55,26 74.24,23.69 U15.8 74.24,17.65 72.37,15.78 72.37,7.65 J1.4
Net-(J20-Pin_1): length 14.2
  Top w1: L200.1 6.46,23.1 6.46,32.09 J20.1
Net-(JP1-A): length 10.3
  Top w0.2: JP1.1 78.68,11.56 v1(79.32,10.92)
  Bottom w0.2: R1.1 79.32,9.58 v1(79.32,10.92) U15.17
Net-(JP2-A): length 8.6
  Top w0.2: JP2.1 81.57,11.31 v1(81.57,9.74)
  Bottom w0.2: R2.1 v1(81.57,9.74) 80.59,10.73 80.59,13.13
Net-(JP3-A): length 6.7
  Top w0.2: 86.18,12.23 84.62,12.23 v1(83.06,10.67)
  Bottom w0.2: v1(83.06,10.67) 83.06,11.92 U15.15
Net-(L38-Pad1): length 3.6
  Top w0.35: L38.1 57.86,34.86 R16.1
Net-(L40-Pad1): length 3.7
  Top w0.35: R18.1 51.51,33.84 L40.1
Net-(L42-Pad1): length 3.7
  Top w0.35: L42.1 70.24,33.84 R25.1
Net-(L43-Pad1): length 3.6
  Top w0.35: R24.1 76.59,34.86 L43.1
Net-(Q1-D): length 27.9
  Bottom w0.25: J19.T 64.13,92.42 64.13,90.27 61.09,87.23 61.09,86.72 59.23,84.86 ; 55.78,81.41 59.23,84.86 ; 59.23,84.86 62.23,84.86 62.25,84.83 63.95,84.83 65.15,83.64 65.15,81.46 Q1.2
Net-(Q1-G): length 39.1
  Bottom w0.2: 63.65,77.42 Q1.1 63.83,71.63 61.66,69.47 60.29,69.47 59.33,70.43 59.33,73.2
  Bottom w0.25: 46.93,78.12 46.93,79.5 48.46,81.02 51.41,81.02 54.94,77.5 R7.2 57.92,74.61 59.33,73.2 ; 46.93,78.12 Q2.3 46.93,78.12
Net-(R26-Pad2): length 9.3
  Top w0.2: R26.2 39.26,55.87 39.26,59.38 41.34,61.46 43.37,61.46
Net-(R29-Pad1): length 11
  Top w0.2: 57.86,61.46 56.41,61.46 53.79,58.84 R29.1
Net-(U1-V2): length 17.6
  Top w0.13: U6.4 75.01,82.44 72.96,82.44 72.59,82.07 v1(72.59,81.28)
  Top w0.2: U6.4 75.77,81.68 v1(76.25,81.68) ; U1.4 81.03,78.8 v1(80.97,78.86) ; v1(67.64,80.69) 67.62,80.7 67.53,80.7
  Bottom w0.2: v1(67.64,80.69) 72.08,80.69 72.67,81.28 ; v1(76.25,81.68) 76.25,81.26 78.64,78.86 v1(80.97,78.86)
Net-(U2-Y0): length 4.7
  Bottom w0.2: 74.92,27.05 72.8,27.05 71.66,28.19 U2.15
Net-(U2-Y1): length 4.7
  Bottom w0.2: U2.14 71.66,29.46 72.8,28.32 74.92,28.32
Net-(U2-Y2): length 4.7
  Bottom w0.2: 74.92,29.59 72.8,29.59 71.66,30.73 U2.13
Net-(U2-Y3): length 4.7
  Bottom w0.2: 74.92,30.86 72.8,30.86 71.66,32 U2.12
Net-(U3-V2): length 23.4
  Top w0.2: v1(71.94,81.85) 70.1,81.85 v1(70.02,81.93) ; v1(67.64,85.85) 67.64,85.13 67.47,84.96
  Bottom w0.2: v1(82.12,83.12) 83.13,82.11 83.13,81.91 82.37,81.15 80.21,81.15 79.13,82.23 72.32,82.23 v1(71.94,81.85) ; v1(67.64,85.85) 66.91,85.13 66.91,82.96 67.94,81.93 v1(70.02,81.93)
Net-(U10-I1): length 15.3
  Bottom w0.2: U12.5 38.17,13.9 46.52,22.25 48.97,22.25
Net-(U10-I2): length 15.8
  Bottom w0.2: U10.2 50.25,21.45 49.25,20.45 45.99,20.45 39.44,13.9 U12.4
Net-(U10-I3): length 18.8
  Bottom w0.2: 51.51,22.25 51.51,23.62 51.23,23.9 36.04,23.9 35.63,23.49 U12.18
Net-(U10-I4): length 21.4
  Bottom w0.2: U12.17 34.36,22.98 35.67,24.3 52,24.3 52.78,23.53 52.78,22.25
Net-(U10-I5): length 30.3
  Bottom w0.2: 54.05,22.25 54.05,23.28 52.62,24.7 35.22,24.7 33.76,23.24 33.76,21.11 34.02,20.85 37.87,20.85 38.17,21.15 U12.20
Net-(U10-I6): length 27.1
  Bottom w0.2: 55.32,22.25 55.32,23.28 53.49,25.1 33.68,25.1 31.82,23.24 U12.15
Net-(U12-A0): length 33.5
  Bottom w0.2: R8.1 41.98,8.19 41.98,13.9 45.86,17.78 60.7,17.78 65.35,22.43
Net-(U12-A1): length 39
  Bottom w0.2: R9.1 40.71,9.72 U12.3 40.71,13.9 46.37,19.56 61.91,19.56 64.75,22.39 64.75,23.49 65.01,23.75 66.32,23.75 66.62,23.45 U15.2
Net-(U12-A2): length 73
  Bottom w0.2: 67.89,22.43 67.89,23.45 66.96,24.38 63.7,24.38 62.58,25.5 33.32,25.5 31.22,23.4 31.22,21.11 32.28,20.05 38.34,20.05 39.44,21.15 U12.21 39.44,23.2 39.74,23.5 41.05,23.5 41.35,23.2 41.35,17.71 37.5,13.87 37.5,9.3 R10.1
Net-(U12-A3): length 71.4
  Top w0.2: v2(31.69,14.95) v2(31.69,18.32)
  Bottom w0.2: R11.1 33.69,8.28 33.69,13.94 32.68,14.95 v2(31.69,14.95) ; 31.44,19.65 31.41,19.65 29.95,21.11 29.95,23.24 32.61,25.9 62.94,25.9 64.06,24.78 67.83,24.78 69.16,23.45 69.16,22.43 ; 31.44,19.65 39.21,19.65 40.71,21.15 U12.22 ; 31.44,19.65 31.69,19.39 v2(31.69,18.32)
Net-(U12-Y0): length 23.3
  Bottom w0.2: U12.11 30.55,11.85 29.62,10.92 27.63,10.92 26.61,11.94 26.61,13.32 24.94,15 20.76,15 14.8,20.95 14.8,22.17
Net-(U12-Y1): length 29.4
  Bottom w0.2: U12.9 33.09,11.85 31.15,9.9 27.12,9.9 25.6,11.43 25.6,13.21 24.61,14.2 19.21,14.2 12.26,21.15 12.26,22.17
Net-(U12-Y2): length 26.7
  Bottom w0.2: 13.53,22.17 13.53,20.95 19.89,14.6 24.77,14.6 26.11,13.26 26.11,11.68 27.48,10.3 30.57,10.3 31.82,11.56 U12.10
Net-(U12-Y3): length 23.3
  Bottom w0.2: 16.07,22.17 16.07,21.15 21.22,16 32.26,16 34.36,13.9 U12.8
Net-(U12-Y4): length 23
  Bottom w0.2: U12.7 35.63,13.33 32.56,16.4 22.15,16.4 17.34,21.21 17.34,22.17
Net-(U12-Y5): length 23.3
  Bottom w0.2: 18.61,22.17 18.61,21.15 22.49,17.27 33.53,17.27 36.9,13.9 36.9,12.87
Net-(U14-ENB): length 7.5
  Top w0.2: U14.6 U14.7 59.14,30.94 C137.1 L36.1
Net-(U14-INM): length 4.7
  Top w0.2: U14.1 49.9,31.62 C139.1
Net-(U14-INP): length 9.6
  Top w0.35: U14.8 61.11,34.18 C144.1
Net-(U15-~{RESET}): length 9.9
  Bottom w0.5: 78.05,12.52 U15.18 78.05,13.74 78.92,14.6 84.46,14.6 R15.2
Net-(U17-OUT_F): length 14.6
  Top w0.2: U17.6 77.41,18.28 77.09,17.96 69.62,17.96 C145.1 66.55,21.03 U20.6
Net-(U18-VDD): length 4
  Top w0.2: U18.6 38.63,78.74 L37.2
Net-(U19-ENB): length 7.5
  Top w0.2: L41.1 C150.1 77.94,31 U19.7 U19.6
Net-(U19-INM): length 4.7
  Top w0.2: U19.1 68.64,31.62 C152.1
Net-(U19-INP): length 9.6
  Top w0.35: C155.1 79.84,34.18 U19.8
Net-(U20-Vdd): length 6.2
  Top w0.2: C151.1 69.75,24.64 U20.8 69.76,20.83 L39.1
Net-(U21-V2): length 9.2
  Top w0.2: U21.4 28.58,88.7 v2(28.9,89.03) ; 34.88,87.05 34.61,87.32 v2(34.61,88.39)
  Bottom w0.2: v2(28.9,89.03) 33.98,89.03 v2(34.61,88.39)

## Copper pours and planes (outline as drawn; the poured copper is in the pictures)
GND on Top, Bottom, In1.Cu, In2.Cu: -0.06,100.07 100.02,100.07 100.02,0 -0.06,0

## Text on the board
B.Silkscreen: Control signal breakout and drivers | Key / out
F.Silkscreen: A2 | A1 | A0 | I2C address / select | FROM 20W PA | 12V IN | + | - | N/C | FWD | TO 20W PA | RFin | LPF CTRL LOW | FROM ATTN | TR Switch | RFout | G | TO XVTR | REF | Power | TR Control | Receive | SWR detector options 1 or 2 | LPF CTRL HIGH | TO ATTN | K9HZ 100W 11 Band / LPF Control board / Designed by K9HZ / Layout by KI3P / 2024-02-14 | Fwd | KEY | FROM BPF | LPF ACC Control | TO BPF | Ref | TX IN | 1.8MHz / HPF | TO 100W PA | FROM 100W PA | TO LPF | FROM LPF | Transmit | Antenna | SWR readout / options A or B | Bands | ANT_1 | ANT_2 | ANT_3 | RX OUT | ANT_4 | 2 | 1 | A | B
User.2: Stackup is JLC04162H-2116 (2oz outer copper): / | 0.284 mm | 0.9 mm | 0.284 mm | / (top)      (In1)     (In2)     (bottom) / RF         GND       GND      Power and control / 50 Ohm microstrip width: 20.65mil == 0.525mm (mil * 0.0254) / (https://jlcpcb.com/pcb-impedance-calculator/)
